# Altium PCB CM4-Tower.PcbDoc (part 8 of 10)
Units mil, origin at the board's own origin, x right, y up, seen from the top; angles counter-clockwise.
Board outline 1968.5 x 5354.33 mil, 8 copper layers (Top Layer, Layer 2, Layer 3, Layer 4, Layer 5, Layer 6, Layer 7, Bottom Layer), stack 61.408 mil thick; 632 components, 480 nets, 2338 pads, 1074 vias.
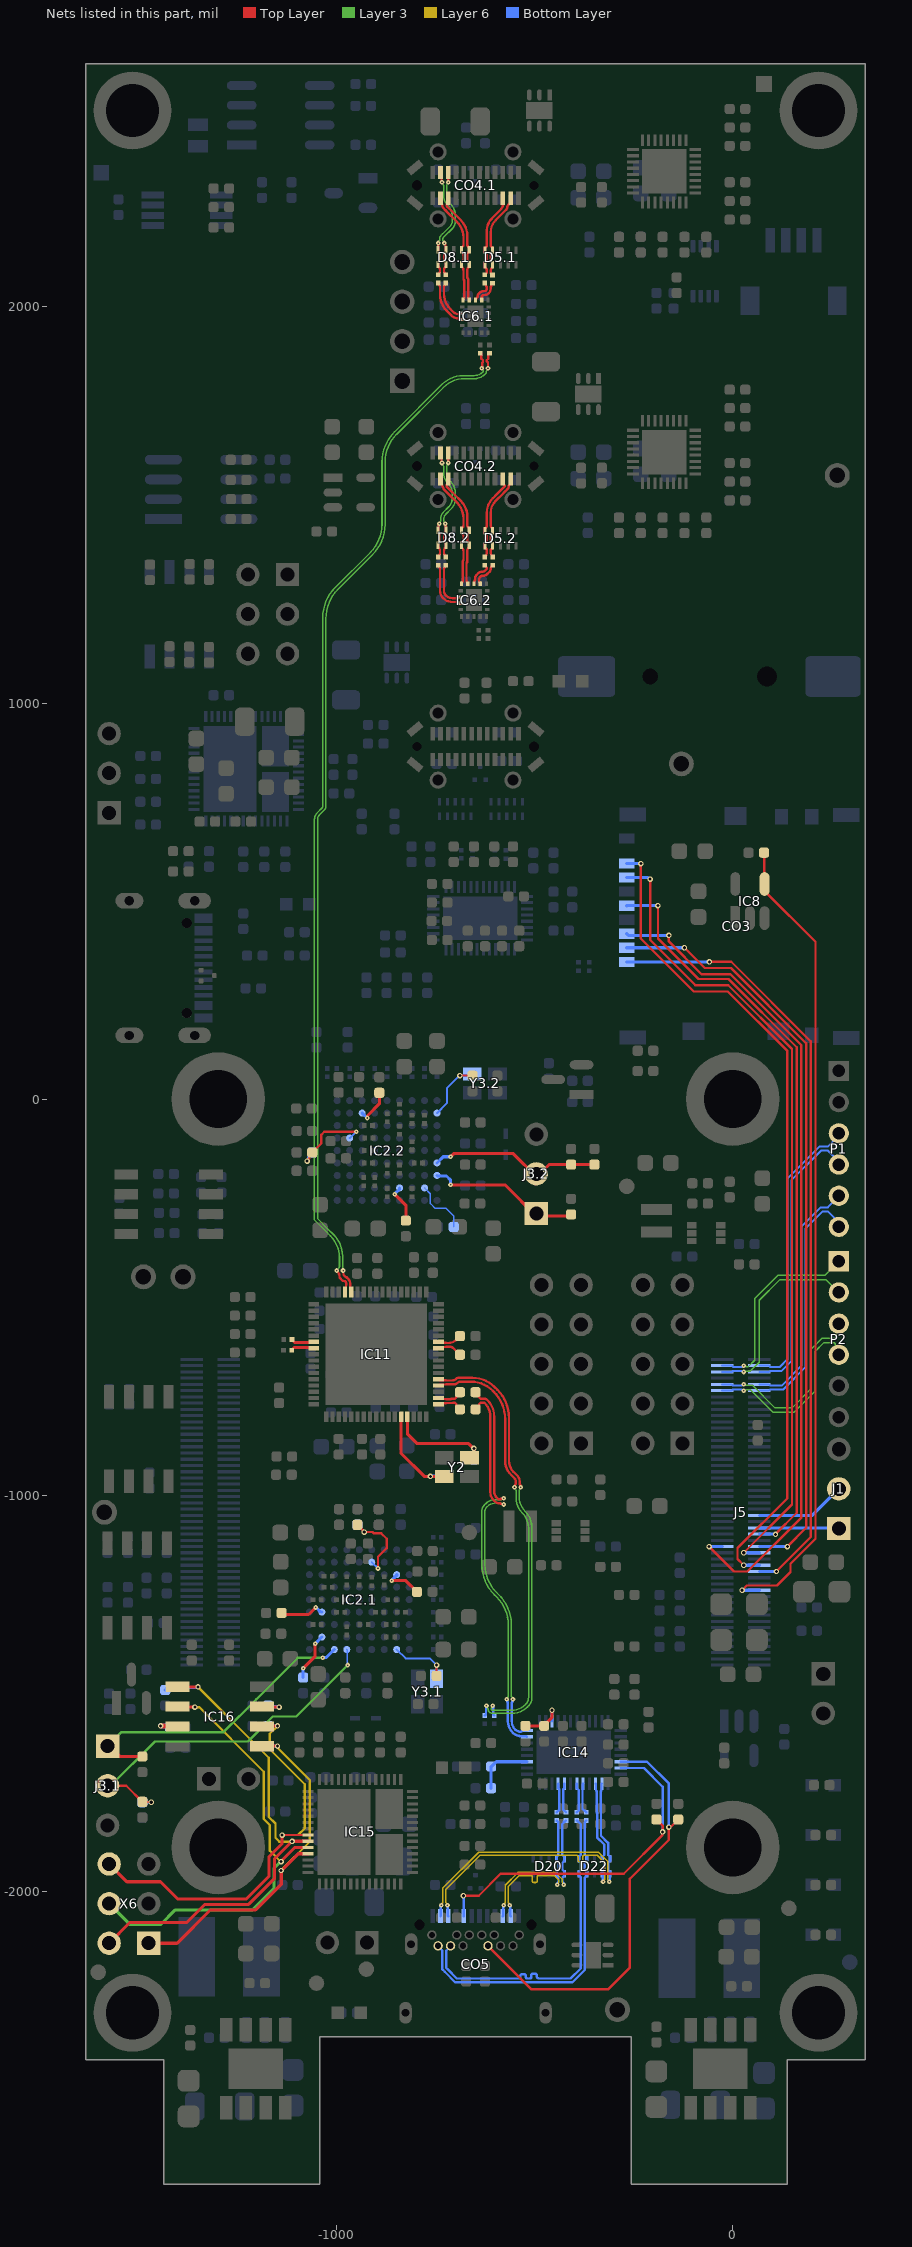
[diagram p14: the nets of this part, all layers, seen from the top]

## Via types
v1: diameter 13.78, hole 7.87, Top Layer to Bottom Layer, tented both sides, 538 vias
v2: diameter 11.81, hole 3.94, Top Layer to Bottom Layer, tented both sides, 294 vias
v3: diameter 19.68, hole 11.81, Top Layer to Bottom Layer, tented both sides, 193 vias
v4: diameter 31.5, hole 19.68, Top Layer to Bottom Layer, tented both sides, 49 vias

## Nets (pads, with @x,y where several pads share a name; then routed paths per layer and width w, separated by ;. In a path a pad name is that pad's centre, name@x,y a point inside that pad or via, vN(x,y) a via of type N, cw(c..) or ccw(c..) an arc to the next point about the centre after c; other vN are vias at no path point) (continued)
RX2_DFP.1_N: CO4.1.10 D8.1.1 D8.1.10 IC6.1.8 | length 285.4
  Top Layer w5.91: CO4.1.10@-718.5,2274.41 -718.5,2267.06 cw(c-726.9,2267.06) -719.65,2262.83 cw(c-726.9,2267.06) -720.96,2261.13 -721.46,2260.63 -721.88,2259.79 ccw(c-716.59,2257.16) -720.3,2252.56 cw(c-744.09,2222.44) -717.01,2249.64 -687.38,2220.01 cw(c-728.66,2178.72) -670.28,2178.72 -670.28,2156.99 ccw(c-664.37,2156.99) -668.55,2152.81 -666.82,2151.08 -666.34,2151.08 cw(c-668.71,2148.71) -665.35,2148.71 D8.1.1@-665.35,2144.69 -665.35,2139.97 cw(c-667.03,2139.97) -665.84,2138.78 -666.34,2138.29 -666.82,2138.29 ccw(c-658.46,2129.94) -670.28,2129.94 -670.28,2119.59 ccw(c-664.37,2119.59) -668.55,2115.41 -666.82,2113.68 -666.34,2113.68 cw(c-668.71,2111.3) -665.35,2111.3 D8.1.10@-665.35,2107.28 -665.35,2102.57 cw(c-667.03,2102.57) -665.84,2101.38 -666.34,2100.89 -666.82,2100.89 ccw(c-658.46,2092.53) -670.28,2092.53 -670.28,2074.58 ccw(c-666.92,2074.58) -669.29,2072.21 cw(c-671.67,2069.83) -668.31,2069.83 -668.31,2024.73 ccw(c-663.27,2024.73) -666.83,2021.16 -666.75,2021.08 cw(c-670.11,2017.72) IC6.1.8@-665.35,2017.72
RX2_DFP.1_P: CO4.1.11 D8.1.2 D8.1.9 IC6.1.9 | length 285.8
  Top Layer w5.91: CO4.1.11@-738.19,2274.41 -738.19,2267.06 ccw(c-729.79,2267.06) -735.74,2261.13 cw(c-741.67,2255.18) -733.27,2255.18 ccw(c-727.36,2255.18) -732.11,2251.68 -731.3,2250.57 -729.73,2248.44 -729.26,2247.81 ccw(c-716.59,2257.16) -726.53,2244.95 -726.46,2244.88 cw(c-744.09,2222.44) -723.93,2242.65 -697.22,2215.93 cw(c-738.5,2174.65) -680.12,2174.65 -680.12,2156.99 cw(c-686.02,2156.99) -681.85,2152.81 -683.58,2151.08 -684.06,2151.08 ccw(c-681.68,2148.71) -685.04,2148.71 D8.1.2@-685.04,2144.69 -685.04,2139.97 ccw(c-683.36,2139.97) -684.55,2138.78 -684.06,2138.29 -683.58,2138.29 cw(c-691.93,2129.94) -680.12,2129.94 -680.12,2119.59 cw(c-686.02,2119.59) -681.85,2115.41 -683.58,2113.68 -684.06,2113.68 ccw(c-681.68,2111.3) -685.04,2111.3 D8.1.9@-685.04,2107.28 -685.04,2102.57 ccw(c-683.36,2102.57) -684.55,2101.38 -684.06,2100.89 -683.58,2100.89 cw(c-691.93,2092.53) -680.12,2092.53 -680.12,2070.51 ccw(c-676.76,2070.51) -679.13,2068.13 cw(c-681.51,2065.76) -678.15,2065.76 -678.15,2024.73 cw(c-683.19,2024.73) -679.63,2021.16 -679.71,2021.08 ccw(c-676.35,2017.72) IC6.1.9@-681.1,2017.72
RX2_DFP.2_N: CO4.2.10 D8.2.1 D8.2.10 IC6.2.8 | length 292.7
  Top Layer w5.91: CO4.2.10@-718.5,1565.75 -719.65,1560.42 -721.46,1551.97 -721.89,1551.09 ccw(c-716.59,1548.49) -720.29,1543.89 cw(c-744.09,1513.78) -715.13,1538.97 ccw(c-710.75,1542.94) -714.97,1538.8 -710.4,1534.22 -701.88,1525.78 ; -701.88,1525.73 -687.42,1511.27 cw(c-728.82,1469.88) -685.79,1509.57 cw(c-728.82,1469.88) -670.28,1469.88 -670.28,1448.14 ccw(c-664.37,1448.14) -668.55,1443.96 -666.82,1442.23 -666.34,1442.23 cw(c-668.71,1439.86) -665.35,1439.86 D8.2.1@-665.35,1435.84 -665.35,1431.12 cw(c-667.03,1431.12) -665.84,1429.94 -666.34,1429.44 -666.82,1429.44 ccw(c-658.46,1421.09) -670.28,1421.09 -670.28,1410.74 ccw(c-664.37,1410.74) -668.55,1406.56 -666.82,1404.83 -666.34,1404.83 cw(c-668.71,1402.46) -665.35,1402.46 D8.2.10@-665.35,1398.44 -665.35,1393.72 cw(c-667.03,1393.72) -665.84,1392.53 -666.34,1392.04 -666.82,1392.04 ccw(c-658.46,1383.69) -670.28,1383.69 -670.28,1357.82 cw(c-673.64,1357.82) -671.26,1355.44 ccw(c-668.88,1353.06) -672.24,1353.06 -672.24,1308.19 ccw(c-667.2,1308.19) -670.78,1304.64 -670.68,1304.54 cw(c-674.04,1301.18) IC6.2.8@-669.29,1301.18
RX2_DFP.2_P: CO4.2.11 D8.2.2 D8.2.9 IC6.2.9 | length 292.9
  Top Layer w5.91: CO4.2.11@-738.19,1565.75 -738.19,1562.91 -735.24,1551.97 -734.83,1551.4 cw(c-741.67,1546.52) -733.82,1549.5 -731.31,1542.9 ccw(c-716.59,1548.49) -729.66,1539.71 ccw(c-716.59,1548.49) -726.5,1536.25 ccw(c-720.29,1543.89) -726.44,1536.21 cw(c-744.09,1513.78) -722.55,1532.5 ccw(c-710.75,1542.94) -721.98,1531.89 -708.9,1518.78 ; -708.85,1518.78 -697.27,1507.2 cw(c-738.66,1465.8) -695.63,1505.49 cw(c-738.66,1465.8) -680.12,1465.8 -680.12,1448.14 cw(c-686.02,1448.14) -681.85,1443.96 -683.58,1442.23 -684.06,1442.23 ccw(c-681.68,1439.86) -685.04,1439.86 D8.2.2@-685.04,1435.84 -685.04,1431.12 ccw(c-683.36,1431.12) -684.55,1429.94 -684.06,1429.44 -683.58,1429.44 cw(c-691.93,1421.09) -680.12,1421.09 -680.12,1410.74 cw(c-686.02,1410.74) -681.85,1406.56 -683.58,1404.83 -684.06,1404.83 ccw(c-681.68,1402.46) -685.04,1402.46 D8.2.9@-685.04,1398.44 -685.04,1393.72 ccw(c-683.36,1393.72) -684.55,1392.53 -684.06,1392.04 -683.58,1392.04 cw(c-691.93,1383.69) -680.12,1383.69 -680.12,1361.89 cw(c-683.48,1361.89) -681.1,1359.52 ccw(c-678.73,1357.14) -682.09,1357.14 -682.09,1308.19 cw(c-687.13,1308.19) -683.55,1304.64 -683.65,1304.54 ccw(c-680.29,1301.18) IC6.2.9@-685.04,1301.18
RX2_N: CO5.10 D22.2 D22.9 IC14.31 | length 854.9
  Layer 6 w3.94: v2(-720.47,-2035.43) -720.47,-2033.3 -724.41,-2029.37 -724.41,-1995.39 -638.47,-1909.45 -408.46,-1909.45 -394.68,-1909.45 cw(c-394.68,-1913.39) -390.75,-1913.39 -390.75,-1922.5 ccw(c-387.79,-1922.5) -387.79,-1925.45 -381.89,-1925.45 ccw(c-381.89,-1922.5) -378.94,-1922.5 -378.94,-1913.39 cw(c-375,-1913.39) -375,-1909.45 -362.2,-1909.45 -342.52,-1909.45 -323.64,-1928.33 -323.64,-1970.31 -327.58,-1974.25 v2(-327.58,-1976.38)
  Bottom Layer w5.91: v2(-720.47,-2035.43) -719.49,-2036.42 -719.49,-2062.01 CO5.10@-718.5,-2062.99 ; IC14.31@-346.46,-1728.35 -345.47,-1729.33 -345.47,-1745.8 -343.5,-1747.76 -343.5,-1802.66 -342.59,-1803.58 -342.59,-1864.24 -324.63,-1882.21 -324.63,-1908.45 -328.09,-1911.91 -328.56,-1911.91 -329.55,-1912.89 D22.9@-329.55,-1918.31 -329.55,-1923.72 -328.56,-1924.7 -328.09,-1924.7 -324.63,-1928.16 -324.63,-1940.59 -324.63,-1945.85 -328.09,-1949.31 -328.56,-1949.31 -329.55,-1950.3 D22.2@-329.55,-1955.71 -328.56,-1956.69 -328.56,-1975.39 v2(-327.58,-1976.38)
RX2_P: CO5.11 D22.1 D22.10 IC14.30 | length 854.9
  Layer 6 w3.94: v2(-736.22,-2035.43) -736.22,-2033.3 -732.28,-2029.37 -732.28,-1992.13 -641.73,-1901.57 -339.26,-1901.57 -336.95,-1903.88 -315.77,-1925.06 -315.77,-1970.31 -311.83,-1974.25 v2(-311.83,-1976.38)
  Bottom Layer w5.91: CO5.11@-738.19,-2062.99 -737.2,-2062.01 -737.2,-2036.42 v2(-736.22,-2035.43) ; IC14.30@-330.71,-1728.35 -331.69,-1729.33 -331.69,-1745.8 -333.66,-1747.76 -333.66,-1798.59 -332.75,-1799.5 -332.75,-1860.17 -314.78,-1878.13 -314.78,-1908.45 -311.33,-1911.91 -310.85,-1911.91 -309.86,-1912.89 D22.10@-309.86,-1918.31 -309.86,-1923.72 -310.85,-1924.7 -311.33,-1924.7 -314.78,-1928.16 -314.78,-1936.52 -314.78,-1945.85 -311.33,-1949.31 -310.85,-1949.31 -309.86,-1950.3 D22.1@-309.86,-1955.71 -310.85,-1956.69 -310.85,-1975.39 v2(-311.83,-1976.38)
RX_R_N: C83.1 IC11.25 | length 60.4
  Top Layer w7.09: C83.1@-1113.77,-634.54 -1111.4,-632.18 -1111.4,-631.1 -1107.25,-626.95 -1086.67,-626.95 -1059.75,-626.94 IC11.25@-1057.88,-628.81
RX_R_P: C82.1 IC11.24 | length 59.7
  Top Layer w7.09: C82.1@-1112.99,-607.35 -1110.63,-609.71 -1110.63,-610.79 -1106.48,-614.94 -1091.64,-614.94 ; -1091.63,-614.93 -1059.75,-614.93 IC11.24@-1057.88,-613.06
RX_REXT.1: IC2.1.B6 R145.1.1 | length 115.4
  Top Layer w7.87: R145.1.1@-1139.29,-1297.69 -1135.62,-1301.36 -1071.08,-1301.36 v2(-1053.36,-1283.64)
  Bottom Layer w7.87: v2(-1053.36,-1283.64) -1052.61,-1284.4 -1051.34,-1284.4 -1040.28,-1295.46 IC2.1.B6@-1037.62,-1295.45
RX_REXT.2: IC2.2.B6 R145.2.1 | length 99
  Top Layer w7.87: v2(-853.19,-240.16) -825.64,-267.72 R145.2.1@-825.64,-307.09
  Bottom Layer w7.87: v2(-853.19,-240.16) -852.44,-239.4 -852.44,-238.13 -841.38,-227.07 IC2.2.B6@-841.38,-224.41
RXD0: J1.2 J5.51 | length 228.5
  Bottom Layer w7.87: J5.51@66.93,-1051.18 200.79,-1051.18 J1.2@267.72,-984.25
RXD.1: IC2.1.C9 J3.1.1 R23.1.1 | length 765.9
  Top Layer w7.87: J3.1.1@-1574.8,-1640.16 -1566.18,-1640.16 -1546.08,-1660.25 R23.1.1@-1490.93,-1660.25
  Layer 3 w5.91: J3.1.1@-1578.74,-1633.86 -1543.31,-1598.43 -1286.05,-1598.43 -1203.37,-1515.75 -1098.11,-1410.48 v2(-1035.32,-1410.48)
  Bottom Layer w7.87: v2(-1035.32,-1410.48) -1034.56,-1409.73 -1025.91,-1409.73 IC2.1.C9@-1006.12,-1389.94
RXD.2: IC2.2.C9 J3.2.1 R23.2.1 | length 390.8
  Top Layer w7.87: v2(-712.6,-216.54) -575.16,-216.54 J3.2.1@-494.93,-296.77 ; J3.2.1@-494.93,-296.85 -493.77,-295.69 -412.66,-295.69 R23.2.1@-408.31,-291.34
  Bottom Layer w7.87: IC2.2.C9@-746.9,-192.91 -745.49,-194.32 -723.01,-194.32 -712.6,-204.72 v2(-712.6,-216.54)
SBU1: CO5.8 IC14.27 R197.1 | length 904.1
  Top Layer w5.91: v1(-680.09,-2011.74) -641.66,-2011.74 -586.2,-1956.27 -275.17,-1956.27 -178.46,-1859.56 -178.46,-1851.69 v1(-177.17,-1850.39) -177.17,-1834.65 R197.1@-192.91,-1818.9
  Bottom Layer w5.91: v1(-680.09,-2011.74) -679.61,-2012.22 -679.61,-2062.51 CO5.8@-679.13,-2062.99 ; IC14.27@-283.46,-1688.98 -224.41,-1688.98 -177.17,-1736.22 v1(-177.17,-1850.39)
SBU2: CO5.28 IC14.26 R210.1 | length 1108.5
  Top Layer w5.91: CO5.28@-618.11,-2138.19 -508.27,-2248.03 -314.96,-2248.03 -259.84,-2192.91 -259.84,-1968.5 -161.42,-1870.08 v1(-161.42,-1838.27) -159.91,-1836.77 -155.66,-1836.77 R210.1@-137.8,-1818.9
  Bottom Layer w5.91: IC14.26@-283.46,-1673.23 -216.54,-1673.23 -161.42,-1728.35 v1(-161.42,-1838.27)
SD_CLK: CO3.5 J5.57 | length 1919.6
  Top Layer w5.91: v1(-188.98,488.29) -188.98,405.51 -86.61,303.15 -10.74,303.15 161.42,130.99 161.42,-1044.73 107.83,-1098.32 v1(107.83,-1099.41)
  Bottom Layer w7.87: CO3.5@-267.72,488.19 -267.62,488.29 v1(-188.98,488.29) ; J5.57@66.93,-1098.43 106.85,-1098.43 v1(107.83,-1099.41)
SD_CMD: CO3.3 J5.62 | length 2107.7
  Top Layer w5.91: v1(-161.42,413.39) -161.42,397.64 -78.74,314.96 -5.85,314.96 173.23,135.89 173.23,-1056.28 36.6,-1192.91 3.15,-1192.91 v1(-59.84,-1129.92)
  Bottom Layer w7.87: CO3.3@-267.72,417.32 -263.78,413.39 v1(-161.42,413.39) ; v1(-59.84,-1129.92) J5.62@-26.77,-1129.92
SD_DAT0: CO3.7 J5.63 | length 2041.2
  Top Layer w5.91: v1(-208.66,555.22) -208.66,401.57 -94.49,287.4 -11.69,287.4 149.61,126.1 149.61,-1023.62 v1(27.56,-1145.67)
  Bottom Layer w7.87: CO3.7@-267.72,559.06 v1@-214.2,559.06 ; v1(27.56,-1145.67) J5.63@66.93,-1145.67
SD_DAT1: CO3.8 J5.67 | length 2108.7
  Top Layer w5.91: v1(-232.28,594.49) -232.28,405.51 -98.43,271.65 -12.65,271.65 137.8,121.21 137.8,-1007.87 11.81,-1133.86 11.81,-1161.42 v1(27.56,-1177.17)
  Bottom Layer w7.87: CO3.8@-267.72,594.49 v1(-232.28,594.49) ; v1(27.56,-1177.17) J5.67@66.93,-1177.17
SD_DAT2: CO3.1 J5.69 | length 1965.5
  Top Layer w5.91: v1(-59.06,346.46) -3.94,346.46 196.85,145.67 196.85,-1105.47 110.24,-1192.09 v1(110.24,-1192.91)
  Bottom Layer w7.87: CO3.1@-267.72,346.46 v1(-59.06,346.46) ; J5.69@66.93,-1192.91 v1(110.24,-1192.91)
SD_DAT3: CO3.2 J5.61 | length 1913.8
  Top Layer w5.91: v1(-122.05,381.89) -70.87,330.71 -4.89,330.71 185.04,140.78 185.04,-1082.68 v1(137.8,-1129.92)
  Bottom Layer w7.87: CO3.2@-267.72,381.89 v1(-122.05,381.89) ; J5.61@66.93,-1129.92 v1(137.8,-1129.92)
SD_ON: IC8.4 J5.75 R16.2 | length 2080.5
  Top Layer w5.91: v1(23.62,-1240.16) 35.43,-1228.35 111.4,-1228.35 145.67,-1194.07 145.67,-1173.36 208.66,-1110.36 208.66,-850.39 208.66,397.13 80.3,525.5 IC8.4@80.3,543.04 79.52,543.82 79.52,621.27 R16.2@78.74,622.05
  Bottom Layer w7.87: v1(23.62,-1240.16) J5.75@66.93,-1240.16
SPDIF.1: IC2.1.F2 R49.1.2 R50.1.1 | length 220.4
  Top Layer w5.91: R50.1.1@-948.05,-1074.98 -929.77,-1093.26 -910.01,-1093.26 -906.63,-1096.64 -887.62,-1096.64 -874.02,-1110.24 -874.02,-1133.86 -895.88,-1155.73 v2(-895.88,-1185.22)
  Bottom Layer w4.92: IC2.1.F2@-911.63,-1169.47 v2(-895.88,-1185.22)
  Bottom Layer w5.91: R49.1.2@-948.05,-1074.98 -948.05,-1075.42 -930.64,-1092.82 v1(-930.64,-1093.26)
SPDIF.2: IC2.2.F2 R49.2.2 R50.2.1 | length 223.8
  Top Layer w5.91: v1(-1074.8,-156.66) -1074.8,-154.53 -1069.76,-149.49 -1069.76,-144.61 -1069.57,-144.42 -1069.57,-142.94 -1069.76,-142.75 -1069.76,-142.67 -1039.37,-112.28 -1039.37,-90.55 -1031.5,-82.68 v2(-950.45,-82.68)
  Bottom Layer w4.92: v1(-1074.8,-156.66) -1073.11,-154.97 -1073.11,-148.23 -1061.86,-136.97 R49.2.2@-1061.86,-134.84 ; IC2.2.F2@-967.37,-98.43 -966.78,-98.43 -951.03,-82.68 v2(-950.45,-82.68)
SPI_CLK: IC15.38 IC16.6 X6.4 | length 1166.9
  Top Layer w7.87: IC16.6@-1402.05,-1534.06 -1400.67,-1535.43 v1(-1358.27,-1535.43) ; v1(-1140.75,-1925.65) -1140.75,-1924.21 -1106.3,-1889.76 IC15.38@-1072.83,-1889.76
  Layer 3 w7.87: X6.4@-1574.8,-2031.5 -1521.65,-2084.65 -1444.88,-2084.65 -1407.48,-2047.24 -1212.6,-2047.24 -1196.59,-2031.23 -1158.46,-1993.11 -1158.46,-1941.89 -1142.22,-1925.65 v1(-1140.75,-1925.65)
  Layer 6 w5.91: v1(-1358.27,-1535.43) -1347.41,-1535.43 -1184.45,-1698.4 -1184.45,-1817.94 -1169.29,-1833.1 -1169.29,-1897.72 -1141.37,-1925.65 v1(-1140.75,-1925.65)
SPI_CS: IC15.39 IC16.1 R181.2 X6.1 | length 974.3
  Top Layer w7.87: X6.1@-1474.8,-2131.5 -1403.15,-2131.5 -1318.9,-2047.24 -1204.72,-2047.24 -1140.26,-1982.78 -1140.26,-1948.82 -1096.95,-1905.51 IC15.39@-1072.83,-1905.51 ; IC16.1@-1188.5,-1634.06 -1188.31,-1633.86 v1(-1149.61,-1633.86)
  Layer 3 w7.87: X6.1@-1474.8,-2131.5 X6.1@-1457.48,-2114.17
  Layer 6 w5.91: v1@-1149.61,-1637.8 -1067.96,-1719.44 -1067.96,-1875.13 v1(-1140.75,-1947.92)
  Bottom Layer w7.87: R181.2@-1169.29,-1633.86 v1(-1149.61,-1633.86) v1@-1148.01,-1633.86
SPI_HOLD: IC16.7 R180.2 | length 67.8
  Top Layer w11.81: v1(-1444.88,-1582.68) -1444.51,-1583.05 -1403.05,-1583.05 IC16.7@-1402.05,-1584.06
  Bottom Layer w11.81: v1(-1444.88,-1582.68) -1444.51,-1583.05 -1422.13,-1583.05 R180.2@-1421.11,-1584.07
SPI_MISO: IC15.36 IC16.2 R182.2 X6.6 | length 1078
  Top Layer w5.91: v1(-1137.97,-1858.44) -1137.88,-1858.35 -1072.92,-1858.35 IC15.36@-1072.83,-1858.27
  Top Layer w7.87: X6.6@-1574.8,-1931.5 -1529.92,-1976.38 -1444.88,-1976.38 -1401.57,-2019.69 -1228.35,-2019.69 -1171.26,-1962.6 -1171.26,-1913.01 -1137.97,-1879.72 v1(-1137.97,-1858.44) ; IC16.2@-1188.5,-1584.06 -1187.13,-1582.68 v1(-1149.61,-1582.68)
  Layer 6 w5.91: v1(-1149.61,-1582.68) -1169.29,-1602.36 -1169.29,-1641.73 -1080.69,-1730.34 -1080.69,-1841.54 -1097.59,-1858.44 v1(-1137.97,-1858.44)
  Bottom Layer w7.87: R182.2@-1173.23,-1582.68 v1(-1149.61,-1582.68)
SPI_MOSI: IC15.37 IC16.5 R211.2 X6.2 | length 1284
  Top Layer w7.87: X6.2@-1574.8,-2131.5 -1522.05,-2078.74 -1378.11,-2078.74 -1332.84,-2033.46 -1222.44,-2033.46 -1157.48,-1968.5 -1157.48,-1918.71 v1@-1112.87,-1874.1 ; IC16.5@-1402.05,-1484.06 -1401.85,-1484.25 v1(-1350.39,-1484.25) ; v1(-1112.78,-1874.19) -1112.61,-1874.02 IC15.37@-1072.83,-1874.02
  Layer 6 w5.91: v1(-1350.39,-1484.25) -1171.65,-1662.99 -1171.65,-1812.64 -1154.7,-1829.59 -1154.7,-1865.37 -1144.9,-1875.17 -1113.77,-1875.17 v1(-1112.78,-1874.19)
  Bottom Layer w7.87: R211.2@-1433.07,-1492.13 -1426.33,-1485.38 -1351.52,-1485.38 v1(-1350.39,-1484.25)
SPI_WP: IC16.3 R183.2 | length 72.6
  Top Layer w7.87: IC16.3@-1188.5,-1534.06 -1187.13,-1535.43 v1(-1145.67,-1535.43)
  Bottom Layer w7.87: R183.2@-1173.23,-1531.5 -1170.42,-1534.3 -1146.8,-1534.3 v1(-1145.67,-1535.43)
SSEQ0: IC14.11 R159.2 R167.1 | length 110.8
  Top Layer w7.87: R159.2@-511.81,-1582.68 R167.1@-476.38,-1582.68 -476.38,-1581.55 -456.74,-1561.9 -456.74,-1543.4 v1(-456.54,-1543.2)
  Bottom Layer w7.87: IC14.11@-456.69,-1570.87 -456.69,-1543.36 v1(-456.54,-1543.2)
SSEQ1: IC14.3 R160.2 R168.1 | length 150.6
  Bottom Layer w7.87: R160.2@-610.24,-1740.16 R168.1@-610.24,-1685.04 -608.9,-1685.04 -597.09,-1673.23 IC14.3@-519.68,-1673.23
SSXI: C90.1 IC11.47 Y2.3 | length 258.5
  Top Layer w7.87: IC11.47@-837.41,-802.04 -837.41,-894.87 -779.53,-952.76 v1(-763.78,-952.76) Y2.3@-728.84,-952.76
  Bottom Layer w7.87: v1(-763.78,-952.76) -762.65,-951.63 -735.09,-951.63 C90.1@-732.28,-948.82
SSXO: C88.1 IC11.48 Y2.1 | length 282.3
  Top Layer w7.87: IC11.48@-821.66,-802.04 -821.66,-845.18 -796.77,-870.08 -666.95,-870.08 -655.14,-881.89 v1(-653.54,-881.89) -653.54,-894.19 Y2.1@-664.86,-905.51
  Bottom Layer w7.87: C88.1@-653.54,-909.45 v1(-653.54,-881.89)
TCLK.1: C129.1.2 IC2.1.H9 Y3.1.3 | length 179.3
  Top Layer w4.92: C129.1.2@-748.03,-1456.69 v1(-748.03,-1429.13)
  Bottom Layer w4.92: IC2.1.H9@-848.64,-1389.94 -826.18,-1412.4 -764.76,-1412.4 v1(-748.03,-1429.13)
  Bottom Layer w5.91: Y3.1.3@-748.03,-1464.07 v1(-748.03,-1429.13)
TCLK.2: C129.2.2 IC2.2.H9 Y3.2.3 | length 175.5
  Top Layer w4.92: v1(-688.98,59.06) C129.2.2@-665.35,59.06
  Bottom Layer w4.92: IC2.2.H9@-746.9,-35.43 -721.73,-10.26 -721.73,27.56 -690.23,59.06 -661.91,59.06 Y3.2.3@-657.97,62.99
TEST_MISN.1: IC2.1.B8 R42.1.1 | length 121.9
  Top Layer w7.87: v2(-1084.86,-1437.19) -1054.5,-1406.82 v2(-1054.5,-1375.33)
  Bottom Layer w7.87: R42.1.1@-1084.86,-1460.81 v2(-1084.86,-1437.19) ; v2(-1054.5,-1375.33) IC2.1.B8@-1037.62,-1358.45
TEST_MISN.2: IC2.2.B8 R42.2.1 | length 145.1
  Bottom Layer w3.94: IC2.2.B8@-778.39,-224.41 -763.78,-239.02 -763.78,-249.64 -763.63,-249.79 -763.63,-263.93 -751.97,-275.59 -724.41,-275.59 -704.72,-295.28 R42.2.1@-704.72,-322.83
TRD0_N: J5.10 P2.3 | length 482.8
  Layer 3 w3.94: v2(27.56,-720.47) 29.07,-721.98 33.14,-721.98 33.8,-722.64 49.41,-722.64 106.69,-779.92 149.21,-779.92 196.85,-732.28 196.85,-632.27 225.57,-603.54 255.91,-603.54 261.02,-598.43 261.02,-573.62 P2.3@267.72,-566.93
  Bottom Layer w4.92: J5.10@-26.77,-720.47 -2.56,-720.47 0.3,-723.33 22.84,-723.33 25.69,-720.47 v2(27.56,-720.47)
TRD0_P: J5.12 P2.4 | length 476.9
  Layer 3 w3.94: v2(27.56,-736.22) 29.07,-734.71 33.14,-734.71 33.8,-734.06 44.68,-734.06 101.96,-791.34 153.94,-791.34 208.27,-737.01 208.27,-637 230.3,-614.96 255.91,-614.96 258.68,-617.73 258.68,-636.63 P2.4@267.72,-645.67
  Bottom Layer w4.92: J5.12@-26.77,-736.22 -2.56,-736.22 0.3,-733.37 22.84,-733.37 25.69,-736.22 v2(27.56,-736.22)
TRD1_N: J5.6 P2.2 | length 491.7
  Layer 3 w3.94: v2(27.56,-688.98) 29.07,-687.47 33.14,-687.47 33.8,-686.81 44.1,-686.81 66.54,-664.38 66.54,-508.27 118.11,-456.69 236.22,-456.69 P2.2@267.72,-488.19
  Bottom Layer w4.92: J5.6@-26.77,-688.98 -2.56,-688.98 0.3,-686.12 12.92,-686.12 v2@22.84,-686.12
TRD1_P: J5.4 P2.1 | length 493.7
  Layer 3 w3.94: v2(27.56,-673.23) 29.07,-674.73 33.14,-674.73 33.8,-675.39 39.37,-675.39 55.12,-659.65 55.12,-503.54 113.38,-445.28 232.28,-445.28 238.19,-439.37 238.19,-438.98 P2.1@267.72,-409.45
  Bottom Layer w4.92: J5.4@-26.77,-673.23 -2.56,-673.23 0.3,-676.08 8.76,-676.08 v2@22.84,-676.08
TRD2_N: J5.9 P1.5 | length 606.8
  Bottom Layer w4.92: J5.9@66.93,-720.47 91.14,-720.47 94,-723.33 123.13,-723.33 173.23,-673.23 173.23,-322.83 222.64,-273.43 240.16,-273.43 267.72,-245.87 P1.5@267.72,-244.09
TRD2_P: J5.11 P1.6 | length 616.8
  Bottom Layer w4.92: J5.11@66.93,-736.22 91.14,-736.22 94,-733.37 127.29,-733.37 183.27,-677.39 183.27,-326.99 226.8,-283.46 240.16,-283.46 267.72,-311.02 P1.6@267.72,-322.83
TRD3_N: J5.5 P1.4 | length 719.2
  Bottom Layer w4.92: J5.5@66.93,-688.98 91.14,-688.98 94,-686.12 123.35,-686.12 147.83,-661.64 147.83,-204.95 222.86,-129.92 240.16,-129.92 267.72,-157.48 P1.4@267.72,-165.35
TRD3_P: J5.3 P1.3 | length 717
  Bottom Layer w4.92: J5.3@66.93,-673.23 91.14,-673.23 94,-676.08 119.19,-676.08 137.8,-657.48 137.8,-200.79 218.7,-119.88 240.16,-119.88 267.72,-92.32 P1.3@267.72,-86.61
TX1_C_N: C139.2 IC14.36 | length 76.6
  Bottom Layer w5.91: IC14.36@-425.2,-1728.35 -425.2,-1740.16 -428.15,-1743.11 -428.15,-1773.33 -428.15,-1794.18 -424.69,-1797.64 -424.21,-1797.64 C139.2@-421.26,-1800.59
TX1_C_P: C137.2 IC14.37 | length 76.6
  Bottom Layer w5.91: C137.2@-444.88,-1800.59 -441.93,-1797.64 -441.45,-1797.64 -437.99,-1794.18 -437.99,-1769.26 -437.99,-1743.11 -440.94,-1740.16 IC14.37@-440.94,-1728.35
TX1_DFP.1_N: C158.1.1 CO4.1.3 D5.1.1 D5.1.10 | length 217.1
  Top Layer w5.91: C158.1.1@-626.11,2081.23 -621.06,2086.27 -621.06,2091.55 ccw(c-632.87,2091.55) -624.52,2099.9 -625,2099.9 -625.49,2100.39 cw(c-624.3,2101.58) -625.98,2101.58 D5.1.1@-625.98,2106.3 -625.98,2110.32 cw(c-622.62,2110.32) -625,2112.7 -624.52,2112.7 -622.79,2114.43 ccw(c-626.97,2118.6) -621.06,2118.6 -621.06,2128.95 ccw(c-632.87,2128.95) -624.52,2137.3 -625,2137.3 -625.49,2137.8 cw(c-624.3,2138.98) -625.98,2138.98 D5.1.10@-625.98,2143.7 -625.98,2147.72 cw(c-622.62,2147.72) -625,2150.1 -624.52,2150.1 -622.79,2151.83 ccw(c-626.97,2156) -621.06,2156 -621.06,2193.05 cw(c-578.26,2193.05) -608.53,2223.32 -587.18,2244.66 ccw(c-605.57,2263.05) -579.57,2263.05 -579.57,2271.65 ccw(c-583.47,2271.65) CO4.1.3@-580.71,2274.41
TX1_DFP.1_P: C150.1.1 CO4.1.2 D5.1.2 D5.1.9 | length 220.3
  Top Layer w5.91: D5.1.2@-606.79,2100.39 -607.28,2099.9 -607.76,2099.9 ccw(c-599.41,2091.55) -611.22,2091.55 -611.22,2085.51 C150.1.1@-606.55,2080.85 ; D5.1.9@-606.79,2137.8 -607.28,2137.3 -607.76,2137.3 ccw(c-599.41,2128.95) -611.22,2128.95 -611.22,2118.6 ccw(c-605.31,2118.6) -609.49,2114.43 -607.76,2112.7 -607.28,2112.7 cw(c-609.66,2110.32) -606.3,2110.32 D5.1.2@-606.3,2106.3 -606.3,2101.58 cw(c-607.98,2101.58) D5.1.2@-606.79,2100.4 ; D5.1.9@-606.79,2137.8 ccw(c-607.98,2138.98) -606.3,2138.98 D5.1.9@-606.3,2143.7 -606.3,2147.72 ccw(c-609.66,2147.72) -607.28,2150.1 -607.76,2150.1 -609.49,2151.83 cw(c-605.31,2156) -611.22,2156 -611.22,2188.98 cw(c-568.42,2188.98) -598.68,2219.24 -572.09,2245.84 ccw(c-577.79,2251.54) -569.72,2251.54 cw(c-563.84,2251.09) -568.91,2254.1 ccw(c-574.8,2257.68) -568.25,2255.56 cw(c-562.64,2253.69) -567.91,2256.36 cw(c-562.64,2253.69) -567.36,2257.24 -565.37,2259.23 ccw(c-575.88,2269.73) -561.02,2269.73 CO4.1.2@-561.02,2274.41